# Altium PCB Panel2.PcbDoc
Units mm, origin at the board's own origin, x right, y up, seen from the top; angles counter-clockwise.
Board outline 32 x 32 mm, 2 copper layers (Top Layer, Bottom Layer); 4 components, 1 nets, 4 pads, 0 vias.
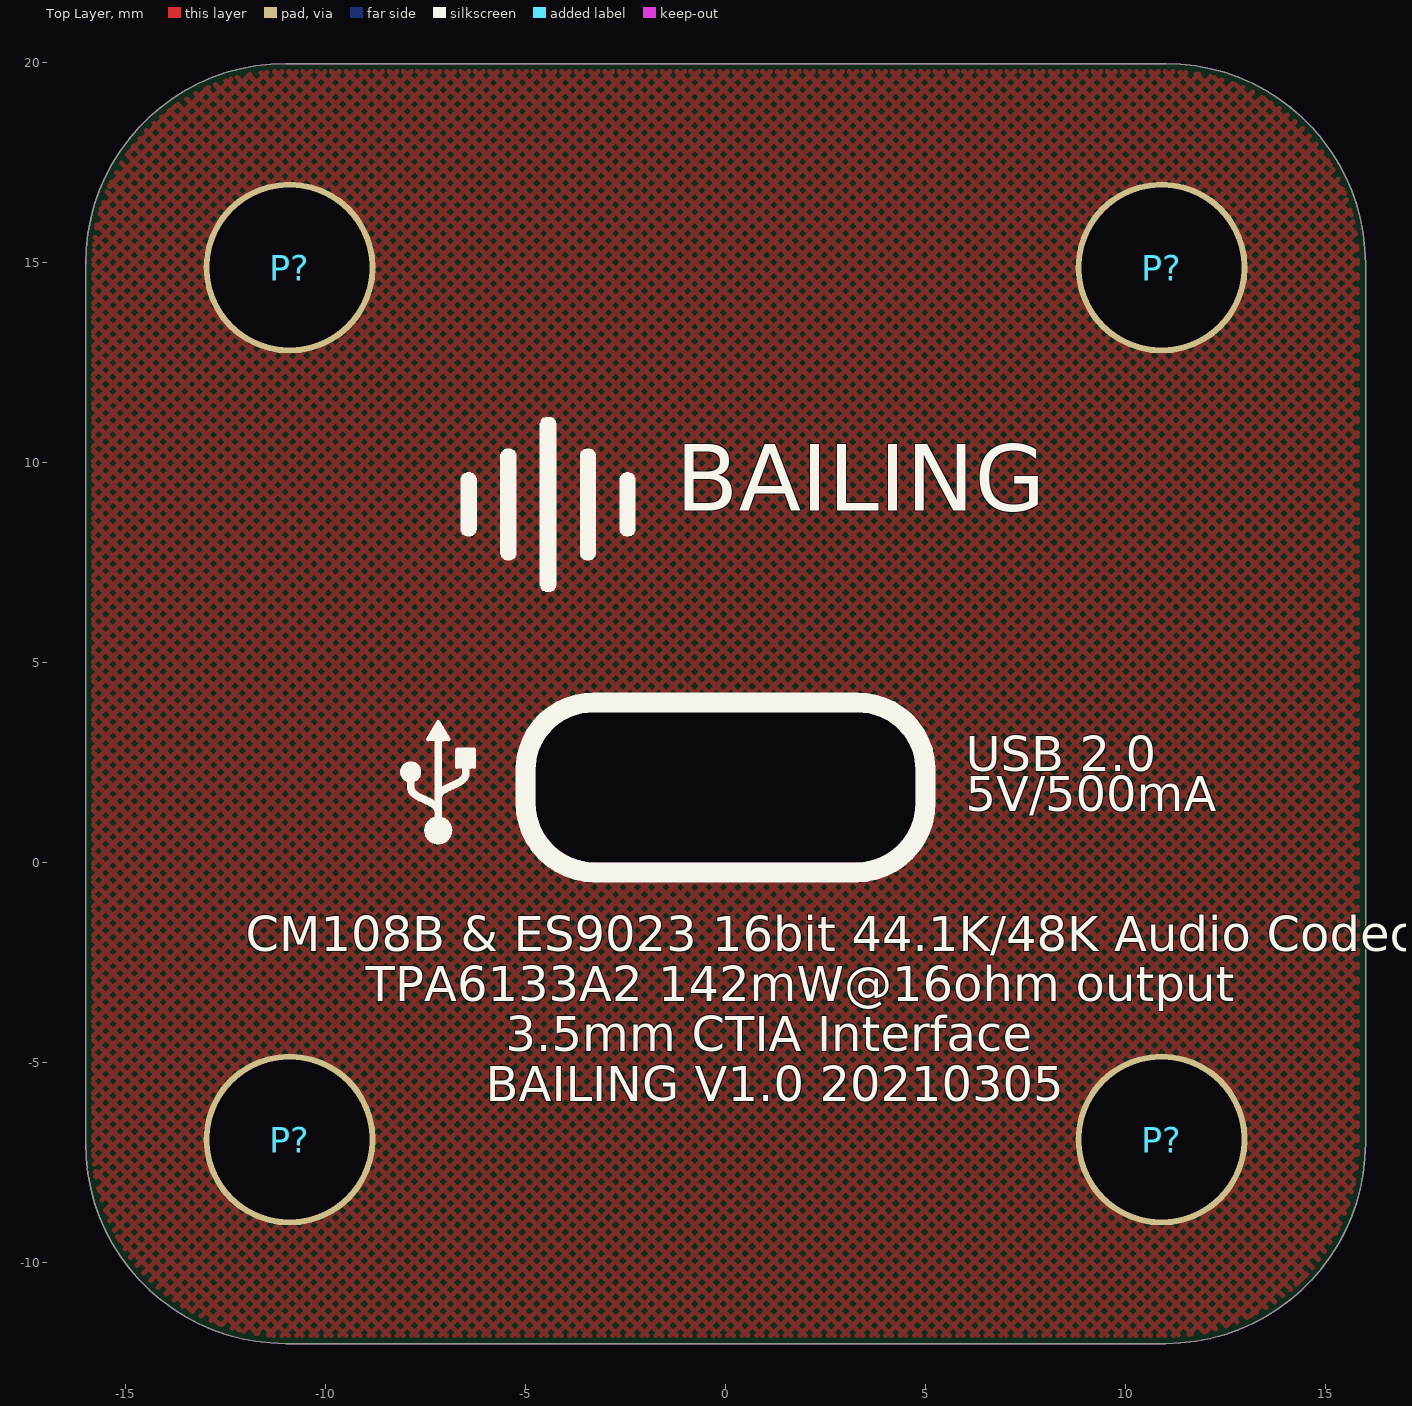
[diagram p0: Top Layer view]
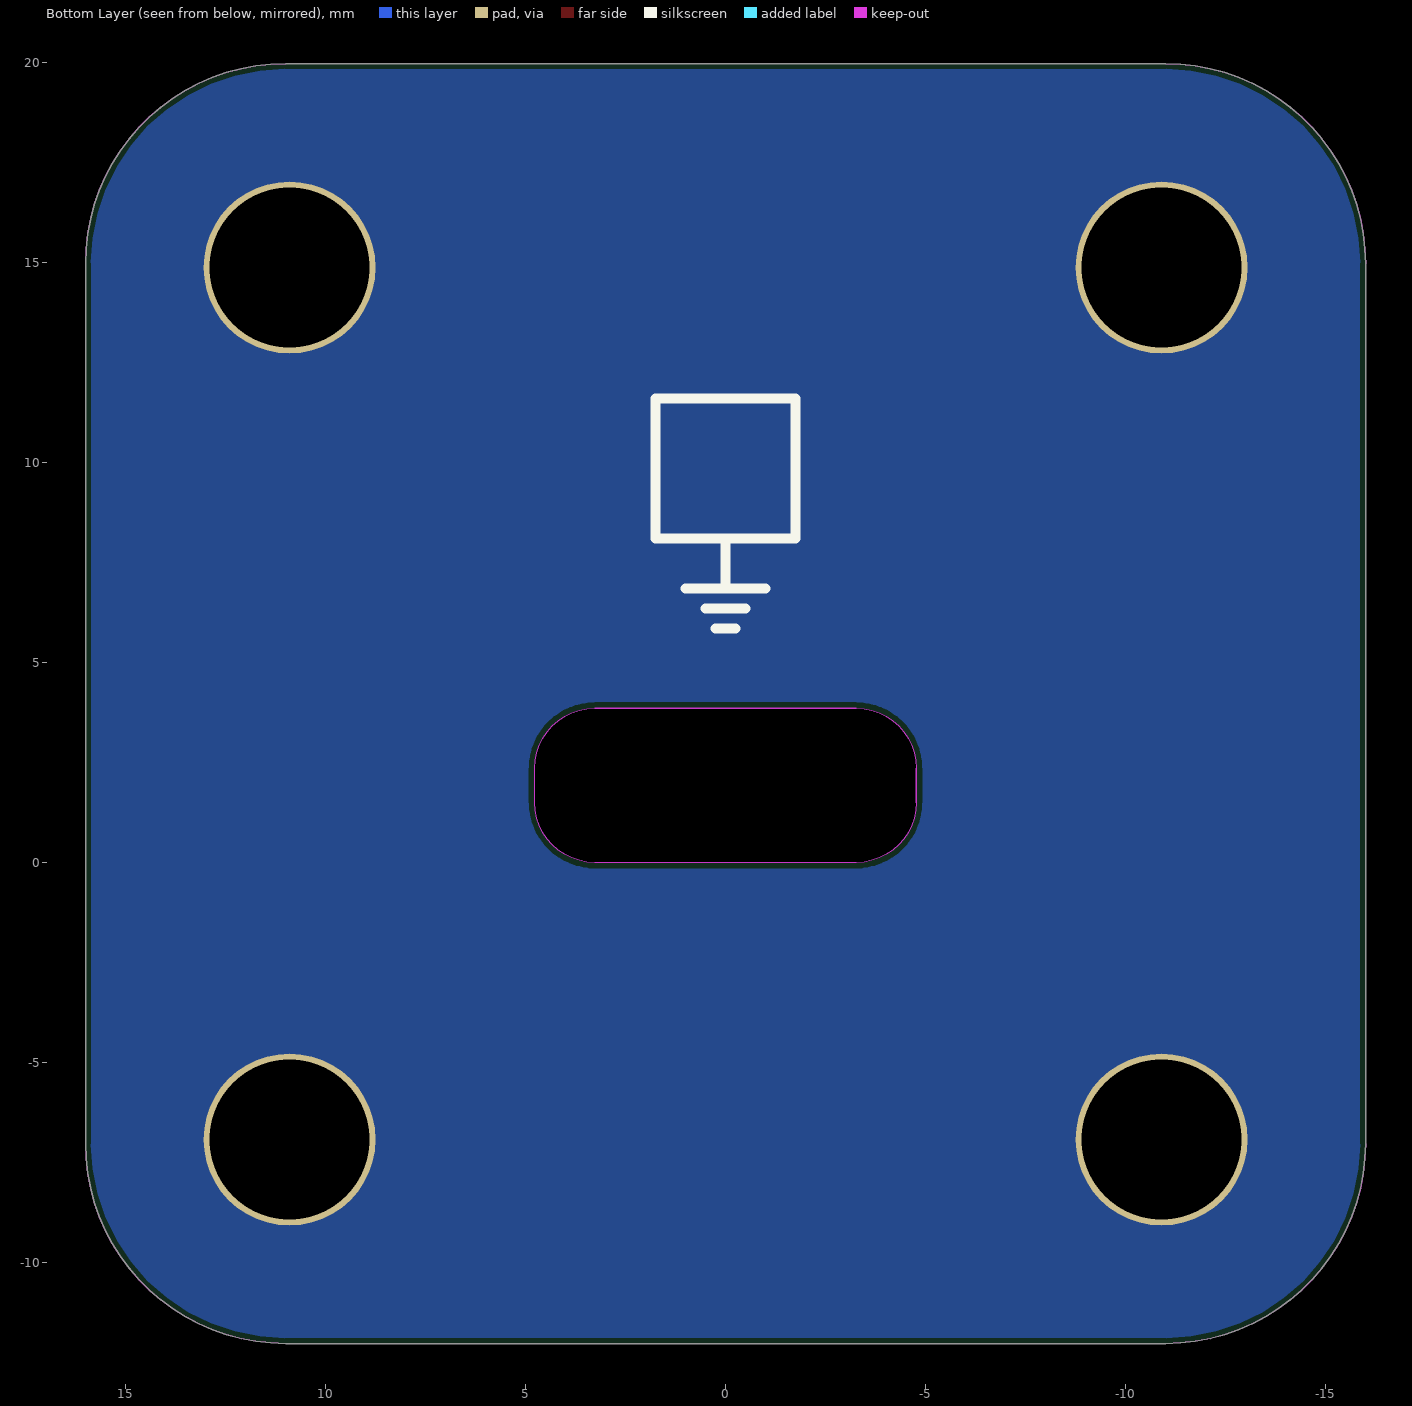
[diagram p1: Bottom Layer view, seen from below]

## Layer stack, top to bottom
Top Solder: solder mask 0.0102, Solder Resist, Dk 3.5
Top Layer: signal copper 0.0356
Dielectric 1: dielectric 0.32, FR-4, Dk 4.8
Bottom Layer: signal copper 0.0356
Bottom Solder: solder mask 0.0102, Solder Resist, Dk 3.5

## Board outline
-16,-7.025 -16,14.975 cw(c-11,14.975) -11,19.975 11,19.975 cw(c11,14.975) 16,14.975 16,-7.025 cw(c11,-7.025) 11,-12.025 -11,-12.025 cw(c-11,-7.025)
cut-out: -4.77,1.5 ccw(c-3.27,1.5) -3.27,0 3.27,0 ccw(c3.27,1.5) 4.77,1.5 4.77,2.36 ccw(c3.27,2.36) 3.27,3.86 -3.27,3.86 ccw(c-3.27,2.36) -4.77,2.36

## Design rules (kind name [scope] priority, off if disabled: settings)
Clearance [All] p1: gap=0.127
PolygonConnect [All] p1: connectstyle=Direct reliefconductorwidth=0.254 reliefentries=4 polygonreliefangle="90 Angle" airgapwidth=0.254
RoutingVias [All] p1: holewidth=0.711 width=1.27 viastyle="Through Hole" minholewidth=0.711 minwidth=1.27 maxholewidth=0.711 maxwidth=1.27
SolderMaskExpansion [All] p1: expansion=0.102
Width [All] p1: maxlimit=0.254 minlimit=0.254 preferedwidth=0.254
30 further rules are at their usual default settings.

## Classes and differential pairs
component class Panel2: P?

## Components (designator, comment, footprint, x,y, rotation, side; value= is the part's Value field where it differs from the comment)
P? "M3" M3_4.0 10.9,-6.925 r0 top
P? "M3" M3_4.0 -10.9,-6.925 r0 top
P? "M3" M3_4.0 10.9,14.875 r0 top
P? "M3" M3_4.0 -10.9,14.875 r0 top

## Footprints (in the part's own frame and the unit in brackets; to place one, negate y for a bottom-side part, rotate by r counter-clockwise, add the part's x,y. Pads: shape width x height; smd on the part's side, far side on the other; paste and mask are expansions set on the pad)
M3_4.0 [mm]
  round 4.3 hole 4: 1(0,0)

## Nets (pads, with @x,y where several pads share a name; then routed paths per layer and width w, separated by ;. In a path a pad name is that pad's centre, name@x,y a point inside that pad or via, vN(x,y) a via of type N, cw(c..) or ccw(c..) an arc to the next point about the centre after c; other vN are vias at no path point)
GND: P?.1

## Polygon pours and split planes (outlines as drawn)
GND on Top Layer "Top Layer-No Net" (hatched 45Degree grid 0.254 track 0.127, remove dead copper, pour order 4): -20,25 20,25 20,-15 -20,-15
GND on Bottom Layer "Top Layer-No Net" (solid, remove dead copper, pour order 6): -20,25 20,25 20,-15 -20,-15

## Keep-outs
Keep-Out Layer:
  lines w0.013: -16,-7.025 ccw(c-11,-7.025) -11,-12.025 ; -16,-7.025 ccw(c-11,-7.025) -11,-12.025 ; -16,-7.025 -16,14.975 ; -16,-7.025 -16,14.975 ; -16,14.975 cw(c-11,14.975) -11,19.975 ; -16,14.975 cw(c-11,14.975) -11,19.975 ; -11,-12.025 11,-12.025 ; -11,-12.025 11,-12.025 ; -11,19.975 11,19.975 ; -11,19.975 11,19.975 ; 11,-12.025 ccw(c11,-7.025) 16,-7.025 ; 11,-12.025 ccw(c11,-7.025) 16,-7.025 ; 11,19.975 cw(c11,14.975) 16,14.975 ; 11,19.975 cw(c11,14.975) 16,14.975 ; 16,-7.025 16,14.975 ; 16,-7.025 16,14.975 ; -4.77,1.5 ccw(c-3.27,1.5) -3.27,0 3.27,0 ccw(c3.27,1.5) 4.77,1.5 4.77,2.36 ccw(c3.27,2.36) 3.27,3.86 -3.27,3.86 ccw(c-3.27,2.36) -4.77,2.36 -4.77,1.5

## Silkscreen, mask and mechanical layers (free items; w line width, h text height)
Top Overlay:
  drawing of 14 lines, arcs and shapes, not listed
  text "BAILING" at -1.25,8.25 h2.85
  text "USB 2.0" at 6,2 h1.5
  text "5V/500mA" at 6,1 h1.5
  text "CM108B & ES9023 16bit 44.1K/48K Audio Codec" at -12,-2.5 h1.5
  text "TPA6133A2 142mW@16ohm output" at -9,-3.75 h1.5
  text "3.5mm CTIA Interface" at -5.5,-5 h1.5
  text "BAILING V1.0 20210305" at -6,-6.25 h1.5
Bottom Overlay:
  lines w0.25: -1,6.85 1,6.85 ; -0.5,6.35 0.5,6.35 ; -0.25,5.85 0.25,5.85 ; 0,6.85 0,8.1 ; -1.75,8.1 1.75,8.1 1.75,11.6 -1.75,11.6 -1.75,8.1
Bottom Solder:
  rectangle: -1.5,8.35 1.5,11.35
Mechanical 1:
  lines w0.013: -16,-7.025 ccw(c-11,-7.025) -11,-12.025 11,-12.025 ccw(c11,-7.025) 16,-7.025 16,14.975 ccw(c11,14.975) 11,19.975 -11,19.975 ccw(c-11,14.975) -16,14.975 -16,-7.025 ; -4.77,1.5 ccw(c-3.27,1.5) -3.27,0 3.27,0 ccw(c3.27,1.5) 4.77,1.5 4.77,2.36 ccw(c3.27,2.36) 3.27,3.86 -3.27,3.86 ccw(c-3.27,2.36) -4.77,2.36 -4.77,1.5
Mechanical 2:
  drawing of 155 lines, arcs and shapes, not listed
  text "32" at 0,24.155 h2.5
  text "32" at -21.89,2.725 h2.5 r90
  text "21,8" at 20.37,2.725 h2.5 r90
  text "21,8" at 0,-17.137 h2.5